# Altium PCB GN-1846-E-V2.PcbDoc (part 5 of 8) (continued)
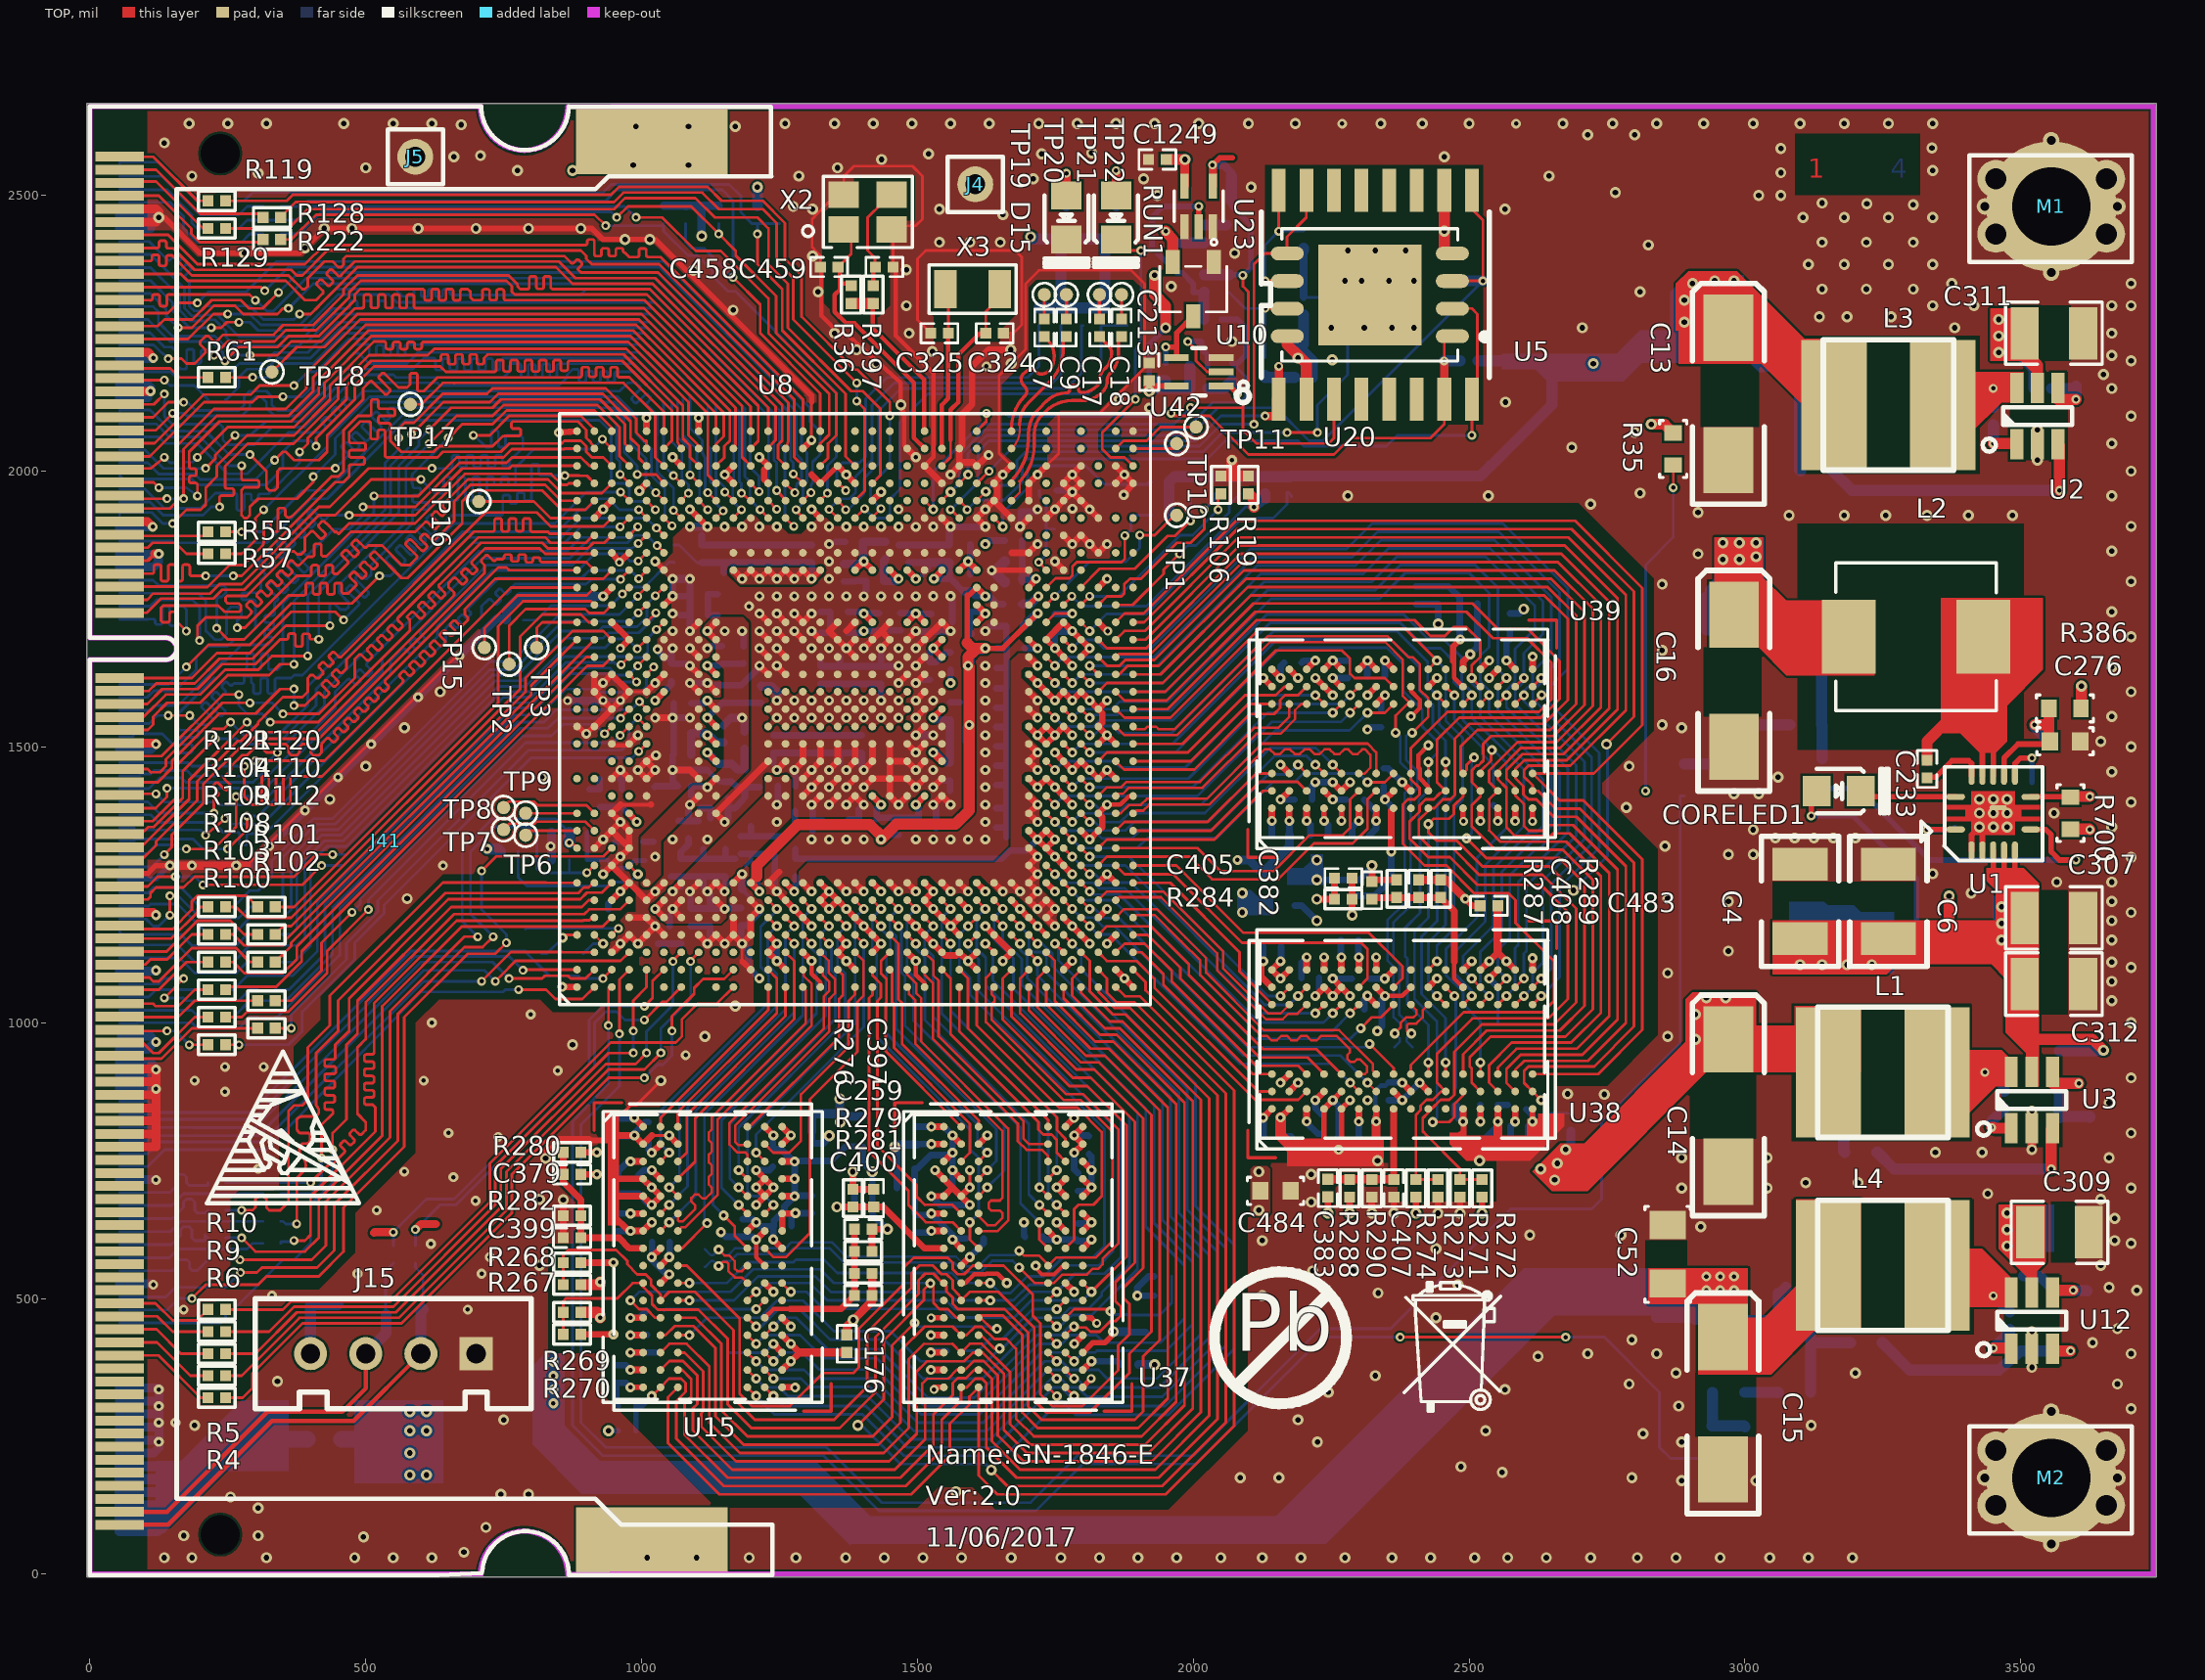
[diagram p0: TOP view]
## Nets (pads, with @x,y where several pads share a name; then routed paths per layer and width w, separated by ;. In a path a pad name is that pad's centre, name@x,y a point inside that pad or via, vN(x,y) a via of type N, cw(c..) or ccw(c..) an arc to the next point about the centre after c; other vN are vias at no path point) (continued)
  BOTTOM w5: 54,2014.88 105,2014.88 124.94,1994.94 189.94,1994.94 199.94,1984.94 299.94,1984.94 v3(335,2020)
G2_A1_656_5: U8.F32 | length 1454.2
  TOP w5: v3(410,2045) 410,2060 480,2130 480,2155 515,2190 635,2190 645,2180 732.75,2180 ccw(c732.75,2183.75) 736.5,2183.75 736.5,2197.83 cw(c740.25,2197.83) 740.25,2201.58 745.75,2201.58 cw(c745.75,2197.83) 749.5,2197.83 749.5,2184.35 ccw(c753.25,2184.35) 753.25,2180.6 758.75,2180.6 ccw(c758.75,2184.35) 762.5,2184.35 762.5,2197.83 cw(c766.25,2197.83) 766.25,2201.58 771.75,2201.58 cw(c771.75,2197.83) 775.5,2197.83 775.5,2184.35 ccw(c779.25,2184.35) 779.25,2180.6 784.75,2180.6 ccw(c784.75,2184.35) 788.5,2184.35 788.5,2197.83 cw(c792.25,2197.83) 792.25,2201.58 797.75,2201.58 cw(c797.75,2197.83) 801.5,2197.83 801.5,2184.35 ccw(c805.25,2184.35) 805.25,2180.6 810.75,2180.6 ccw(c810.75,2184.35) 814.5,2184.35 814.5,2197.83 cw(c818.25,2197.83) 818.25,2201.58 823.75,2201.58 cw(c823.75,2197.83) 827.5,2197.83 827.5,2184.35 ccw(c831.25,2184.35) 831.25,2180.6 836.75,2180.6 ccw(c836.75,2184.35) 840.5,2184.35 840.5,2197.83 cw(c844.25,2197.83) 844.25,2201.58 849.75,2201.58 cw(c849.75,2197.83) 853.5,2197.83 853.5,2185.85 ccw(c857.25,2185.85) 857.25,2182.1 862.75,2182.1 ccw(c862.75,2185.85) 866.5,2185.85 866.5,2197.83 868.67,2200 965,2200 1055,2110 1055,2055.5 U8.F32@1040.49,2040.99
  BOTTOM w5: 54,1991.26 55,1991.26 60.63,1985.63 184.37,1985.63 195,1975 320,1975 350,2005 350,2035 370,2055 400,2055 v3(410,2045)
G2_A1_656_6: U8.G32 | length 1451.8
  TOP w5: v3(380,2035) 395,2050 395,2060 465,2130 465,2155 510,2200 632.75,2200 ccw(c632.75,2203.75) 636.5,2203.75 636.5,2207.95 cw(c640.25,2207.95) 640.25,2211.7 645.75,2211.7 cw(c645.75,2207.95) 649.5,2207.95 649.5,2197.71 ccw(c653.25,2197.71) 653.25,2193.96 658.75,2193.96 ccw(c658.75,2197.71) 662.5,2197.71 662.5,2207.95 cw(c666.25,2207.95) 666.25,2211.7 671.75,2211.7 cw(c671.75,2207.95) 675.5,2207.95 675.5,2197.71 ccw(c679.25,2197.71) 679.25,2193.96 684.75,2193.96 ccw(c684.75,2197.71) 688.5,2197.71 688.5,2207.95 cw(c692.25,2207.95) 692.25,2211.7 697.75,2211.7 cw(c697.75,2207.95) 701.5,2207.95 701.5,2197.71 ccw(c705.25,2197.71) 705.25,2193.96 710.75,2193.96 ccw(c710.75,2197.71) 714.5,2197.71 714.5,2205 719.5,2210 ; 720,2210 719.5,2210 ; U8.G32@1071.99,2040.99 1065,2053.09 1065,2114.14 967.56,2211.58 721.08,2211.58 719.5,2210
  BOTTOM w5: 54,1967.64 100,1967.64 135,1932.64 200,1932.64 227.36,1960 262.75,1960 cw(c262.75,1956.25) 266.5,1956.25 266.5,1932.41 ccw(c270.25,1932.41) 270.25,1928.66 275.75,1928.66 ccw(c275.75,1932.41) 279.5,1932.41 279.5,1955.13 cw(c283.25,1955.13) 283.25,1958.88 288.75,1958.88 cw(c288.75,1955.13) 292.5,1955.13 292.5,1950.12 ccw(c296.25,1950.12) 296.25,1946.37 301.75,1946.37 ccw(c301.75,1950.12) 305.5,1950.12 305.5,1955.13 cw(c309.25,1955.13) 309.25,1958.88 323.88,1958.88 380,2015 v3(380,2035)
G2_A1_656_7: U8.H31 | length 1402.4
  TOP w5: v3(235,1935) 235,1951.75 cw(c238.75,1951.75) 238.75,1955.5 257.19,1955.5 ccw(c257.19,1959.25) 260.94,1959.25 260.94,1964.75 ccw(c257.19,1964.75) 257.19,1968.5 248.75,1968.5 cw(c248.75,1972.25) 245,1972.25 245,2008.73 285.77,2049.5 369.14,2049.5 450,2130.36 450,2154.14 505.86,2210 612.57,2210 624.27,2221.7 972.44,2221.7 1075,2119.14 1075,2058.96 1087.74,2046.22 1087.74,2025.24 U8.H31@1103.49,2009.49
  BOTTOM w5: 54,1944.02 109,1944.02 133.02,1920 205,1920 220,1935 v3(235,1935)
G2_A1_656_CLK: J41.56 U8.H32 | length 1422.8
  TOP w5: v3(150,1905) 175,1930 200.62,1930 210,1939.38 210,1970 230,1990 230,2010 245.12,2025.12 245.62,2025.12 285,2064.5 370,2064.5 435.5,2130 435.5,2155.5 515,2235 532.75,2235 cw(c532.75,2231.25) 536.5,2231.25 536.5,2224.91 ccw(c540.25,2224.91) 540.25,2221.16 545.75,2221.16 ccw(c545.75,2224.91) 549.5,2224.91 549.5,2230.48 cw(c553.25,2230.48) 553.25,2234.23 558.75,2234.23 cw(c558.75,2230.48) 562.5,2230.48 562.5,2224.91 ccw(c566.25,2224.91) 566.25,2221.16 571.75,2221.16 ccw(c571.75,2224.91) 575.5,2224.91 575.5,2230.48 cw(c579.25,2230.48) 579.25,2234.23 584.75,2234.23 cw(c584.75,2230.48) 588.5,2230.48 588.5,2224.91 ccw(c592.25,2224.91) 592.25,2221.16 597.75,2221.16 ccw(c597.75,2224.91) 601.5,2224.91 601.5,2230.46 cw(c605.25,2230.46) 605.25,2234.21 975.79,2234.21 1085,2125 1085,2065 1104.55,2045.45 1104.55,2042.05 U8.H32@1103.49,2040.99
  BOTTOM w5: J41.56@54,1920.39 54,1925 112,1925 132,1905 v3(150,1905)
G2_A1_I2C_CLK: R124.1 U8.D19 | length 1059.5
  TOP w5: U8.D19@977.5,1631.54 v3(991,1618)
  BOTTOM w5: R124.1@246,1060 260,1060 285,1085 367.5,1085 412.5,1130 412.5,1217.5 765,1570 765,1571 810,1571 872,1633 938,1633 953,1618 v3(991,1618)
G2_A1_I2C_SDA: R123.1 U8.E19 | length 1017.2
  TOP w5: U8.E19@1009,1631.54 1009,1632 v3(1022,1645)
  BOTTOM w5: R123.1@336,1060 361,1060 426,1125 426,1214 770,1558 815,1558 862,1605 916,1605 922,1599 998,1599 1009,1610 1009,1632 v3(1022,1645)
G2_A2_656_0: U8.G30 | length 1414.9
  TOP w5: 54,2121.18 116.18,2121.18 v3(135,2140) ; v3(1058,1992) U8.G30@1071.99,1978
  BOTTOM w5: v3(135,2140) 135,2100.5 135.5,2100 135.5,2098.99 149.49,2085 236,2085 241,2080 241,2056.89 250,2047.89 297.89,2047.89 330,2080 390,2080 470,2160 630,2160 635,2155 850,2155 865,2170 865,2174.67 875,2184.67 882.54,2184.67 cw(c882.54,2180.92) 886.29,2180.92 886.29,2165.64 ccw(c890.04,2165.64) 890.04,2161.89 895.54,2161.89 ccw(c895.54,2165.64) 899.29,2165.64 899.29,2177.43 cw(c903.04,2177.43) 903.04,2181.18 908.54,2181.18 cw(c908.54,2177.43) 912.29,2177.43 912.29,2165.64 ccw(c916.04,2165.64) 916.04,2161.89 921.54,2161.89 ccw(c921.54,2165.64) 925.29,2165.64 925.29,2177.43 cw(c929.04,2177.43) 929.04,2181.18 934.54,2181.18 cw(c934.54,2177.43) 938.29,2177.43 938.29,2165.64 ccw(c942.04,2165.64) 942.04,2161.89 947.54,2161.89 ccw(c947.54,2165.64) 951.29,2165.64 951.29,2176.51 cw(c955.04,2176.51) 955.04,2180.26 959.74,2180.26 960,2180 985,2180 1040,2125 1040,2010 v3(1058,1992)
G2_A2_656_1: U8.H29 | length 1424.5
  TOP w5: 54,2097.56 115,2097.56 142.44,2125 v3(170,2125) ; U8.H29@1103.49,1946.5 v3(1120,1930)
  BOTTOM w5: v3(170,2125) 176.97,2125 191.97,2110 270,2110 280,2120 280,2135 290,2145 320,2145 330,2135 330,2120 340,2110 375,2110 479,2214 487,2214 506,2195 575,2195 595,2215 995,2215 1075.07,2134.93 1075.07,2065.07 1100,2040.14 1100,2019.22 1105,2014.22 1105,1945 v3(1120,1930)
G2_A2_656_2: U8.H30 | length 1486.3
  TOP w5: 54,2073.94 118.94,2073.94 v3(150,2105) ; v3(1088,1993) 1088.49,1993 U8.H30@1103.49,1978
  BOTTOM w5: v3(150,2105) 170,2105 175,2100 275,2100 290,2115 290,2125 300,2135 310,2135 320,2125 320,2115 335,2100 380,2100 465,2185 585,2185 605,2205 622.75,2205 cw(c622.75,2201.25) 626.5,2201.25 626.5,2186.82 ccw(c630.25,2186.82) 630.25,2183.07 635.75,2183.07 ccw(c635.75,2186.82) 639.5,2186.82 639.5,2200.16 cw(c643.25,2200.16) 643.25,2203.91 648.75,2203.91 cw(c648.75,2200.16) 652.5,2200.16 652.5,2186.82 ccw(c656.25,2186.82) 656.25,2183.07 661.75,2183.07 ccw(c661.75,2186.82) 665.5,2186.82 665.5,2200.16 cw(c669.25,2200.16) 669.25,2203.91 674.75,2203.91 cw(c674.75,2200.16) 678.5,2200.16 678.5,2186.82 ccw(c682.25,2186.82) 682.25,2183.07 687.75,2183.07 ccw(c687.75,2186.82) 691.5,2186.82 691.5,2200.16 cw(c695.25,2200.16) 695.25,2203.91 700.75,2203.91 cw(c700.75,2200.16) 704.5,2200.16 704.5,2186.82 ccw(c708.25,2186.82) 708.25,2183.07 713.75,2183.07 ccw(c713.75,2186.82) 717.5,2186.82 717.5,2200.16 cw(c721.25,2200.16) 721.25,2203.91 726.75,2203.91 cw(c726.75,2200.16) 730.5,2200.16 730.5,2186.82 ccw(c734.25,2186.82) 734.25,2183.07 739.75,2183.07 ccw(c739.75,2186.82) 743.5,2186.82 743.5,2199.64 748.86,2205 990,2205 1065,2130 1065,2062.41 1088,2039.41 v3(1088,1993)
G2_A2_656_3: U8.J28 | length 1416.3
  TOP w5: 54,2050.32 117.66,2050.32 206.05,2138.71 291.29,2138.71 307.58,2155 v3(370,2155) ; U8.J28@1134.98,1915.01 v3(1148,1928)
  BOTTOM w5: v3(370,2155) 395,2180 410,2180 470,2240 1000,2240 1120.3,2119.7 1120.3,2045.3 1125,2040.59 1125,1980.7 1135,1970.7 1135,1941 v3(1148,1928)
G2_A2_656_4: U8.J29 | length 1467.9
  TOP w5: 54,2026.69 108.6,2026.69 206.9,2125 295,2125 305,2135 v3(350,2135) ; v3(1120,1961) 1120.48,1961 U8.J29@1134.98,1946.5
  BOTTOM w5: v3(350,2135) 385,2135 480,2230 502.75,2230 cw(c502.75,2226.25) 506.5,2226.25 506.5,2212.52 ccw(c510.25,2212.52) 510.25,2208.77 515.75,2208.77 ccw(c515.75,2212.52) 519.5,2212.52 519.5,2224.8 cw(c523.25,2224.8) 523.25,2228.55 528.75,2228.55 cw(c528.75,2224.8) 532.5,2224.8 532.5,2212.52 ccw(c536.25,2212.52) 536.25,2208.77 541.75,2208.77 ccw(c541.75,2212.52) 545.5,2212.52 545.5,2224.8 cw(c549.25,2224.8) 549.25,2228.55 554.75,2228.55 cw(c554.75,2224.8) 558.5,2224.8 558.5,2212.52 ccw(c562.25,2212.52) 562.25,2208.77 567.75,2208.77 ccw(c567.75,2212.52) 571.5,2212.52 571.5,2225.72 cw(c575.25,2225.72) 575.25,2229.47 995.53,2229.47 1087.99,2137.01 1087.99,2078.18 1110,2056.17 1110,2032.73 1115,2025 1115,1966 v3(1120,1961)
G2_A2_656_5: U8.J30 | length 1412.5
  TOP w5: 54,2003.07 55.93,2005 110,2005 v3(135,2025) ; v3(195,2025) 250,2080 370,2080 425,2135 425,2160 510,2245 980,2245 1010,2215 1010.12,2215.12 1120.24,2105 1120.24,1992.74 U8.J30@1134.98,1978
  BOTTOM w5: v3(135,2025) 145,2015 152.75,2015 ccw(c152.75,2018.75) 156.5,2018.75 156.5,2032.15 cw(c160.25,2032.15) 160.25,2035.9 165.75,2035.9 cw(c165.75,2032.15) 169.5,2032.15 169.5,2020.28 ccw(c173.25,2020.28) 173.25,2016.53 186.53,2016.53 v3(195,2025)
G2_A2_656_6: U8.J33 | length 1416.3
  TOP w5: 54,1979.45 115.55,1979.45 v3(125,1970) ; v3(195,1955) 195,1974.75 ccw(c191.25,1974.75) 191.25,1978.5 183.77,1978.5 cw(c183.77,1982.25) 180.02,1982.25 180.02,1987.75 cw(c183.77,1987.75) 183.77,1991.5 189.17,1991.5 ccw(c189.17,1995.25) 192.92,1995.25 192.92,2000.75 ccw(c189.17,2000.75) 189.17,2004.5 184.05,2004.5 cw(c184.05,2008.25) 180.3,2008.25 180.3,2015.7 180,2016 180,2035 235,2090 365,2090 415,2140 415,2165 505,2255 984.98,2255 1134.98,2105 U8.J33@1134.98,2072.49
  BOTTOM w5: v3(125,1970) 175,1970 v3(195,1955)
G2_A2_656_7: U8.J32 | length 1435.3
  TOP w5: 54,1955.83 90,1955.83 90,1950 v3(140,1950) ; v3(170,1950) 170,2040 230,2100 360,2100 405,2145 405,2170 500,2265 990,2265 1015,2240 1017.49,2237.5 1148.98,2106 1148.98,2063 1134.98,2049 U8.J32@1134.98,2040.99
  BOTTOM w5: v3(140,1950) v3(170,1950)
G2_A2_656_CLK: J41.55 U8.J31 | length 1502.2
  TOP w5: J41.55@54,1932.2 145,1932.2 155,1942.2 155,2042.91 224.82,2112.73 355,2112.73 392.27,2150 392.27,2177.27 490,2275 995,2275 1160,2110 1160,2055 1150,2045 1150,2024.51 U8.J31@1134.98,2009.49
G2_A2_I2C_CLK: R114.1 U8.E24 | length 1020.7
  TOP w5: v3(993,1773) 993.5,1773.5 993.5,1774.52 1008,1789.02 U8.E24@1009,1789.02
  BOTTOM w5: R114.1@246,1210 260,1210 289.5,1239.5 305,1239.5 330,1264.5 330,1294 406,1370 440,1370 725,1655 766,1655 851,1740 960,1740 v3(993,1773)
G2_A2_I2C_SDA: R126.1 U8.F24 | length 1124.2
  TOP w5: v3(1025,1774) 1040.02,1789.02 U8.F24@1040.49,1789.02
  BOTTOM w5: R126.1@246,1160 260,1160 290,1190 350,1190 365,1205 365,1300 415,1350 450,1350 730,1630 775,1630 855,1710 922,1710 930,1718 992,1718 1010,1736 1010,1759 v3(1025,1774)
G3_A1_656_0: U8.L30 | length 1562.7
  TOP w5: U8.L30@1197.97,1978 v3(1213,1963)
  BOTTOM w5: 54,2392.83 110,2392.83 171.5,2331.33 171.5,2295.27 185.27,2281.5 205.62,2281.5 207.62,2283.5 230.68,2283.5 270.18,2244 389,2244 440,2295 467.75,2295 ccw(c467.75,2298.75) 471.5,2298.75 471.5,2305.15 cw(c475.25,2305.15) 475.25,2308.9 480.75,2308.9 cw(c480.75,2305.15) 484.5,2305.15 484.5,2300.36 ccw(c488.25,2300.36) 488.25,2296.61 493.75,2296.61 ccw(c493.75,2300.36) 497.5,2300.36 497.5,2305.15 cw(c501.25,2305.15) 501.25,2308.9 506.75,2308.9 cw(c506.75,2305.15) 510.5,2305.15 510.5,2300.09 ccw(c514.25,2300.09) 514.25,2296.34 519.75,2296.34 ccw(c519.75,2300.09) 523.5,2300.09 523.5,2305.15 cw(c527.25,2305.15) 527.25,2308.9 532.75,2308.9 cw(c532.75,2305.15) 536.5,2305.15 536.5,2299.16 ccw(c540.25,2299.16) 540.25,2295.41 1019.59,2295.41 1197,2118 1197,2006.77 1213,1990.77 v3(1213,1963)
G3_A1_656_1: U8.M28 | length 1525.8
  TOP w5: v3(1215,1930) U8.M28@1229.47,1915.01
  BOTTOM w5: 54,2369.21 110,2369.21 162.5,2316.71 162.5,2291.54 181.54,2272.5 210.67,2272.5 212.67,2274.5 226.48,2274.5 247,2253.98 247,2243 263,2227 379,2227 386,2234 394,2234 445,2285 1015.56,2285 1187,2113.56 1187,1990.39 1193.69,1983.69 1193.69,1982.81 1196.5,1980 1196.5,1948.5 v3(1215,1930)
G3_A1_656_2: U8.M29 | length 1545.6
  TOP w5: v3(220,2260) 238.13,2260 248.13,2270 v3(270,2270) ; U8.M29@1229.47,1946.5 v3(1245,1931)
  BOTTOM w5: 54,2345.59 110,2345.59 150.45,2305.14 150.45,2290.45 180.91,2260 v3(220,2260) ; v3(270,2270) 290,2270 305,2255 385,2255 450,2320 542,2320 556,2306 1024,2306 1230,2100 1230,1946 v3(1245,1931)
G3_A1_656_3: U8.N28 | length 1611.5
  TOP w5: v3(160,2260) 185,2260 225,2300 263.19,2300 278.19,2285 340,2285 350,2295 v3(360,2295) ; U8.N28@1260.97,1915.01 v3(1276,1900)
  BOTTOM w5: 54,2321.97 110,2321.97 138.38,2293.59 138.38,2281.62 v3(160,2260) ; v3(360,2295) 405,2340 1020,2340 1250,2110 1250,2049.71 1260,2039.71 1260,1916 v3(1276,1900)
G3_A1_656_4: U8.L31 | length 1569.3
  TOP w5: v3(290,2210) 340,2210 365,2235 420,2235 480,2295 492.75,2295 ccw(c492.75,2298.75) 496.5,2298.75 496.5,2316.24 cw(c500.25,2316.24) 500.25,2319.99 505.75,2319.99 cw(c505.75,2316.24) 509.5,2316.24 509.5,2299.45 ccw(c513.25,2299.45) 513.25,2295.7 518.75,2295.7 ccw(c518.75,2299.45) 522.5,2299.45 522.5,2316.24 cw(c526.25,2316.24) 526.25,2319.99 531.75,2319.99 cw(c531.75,2316.24) 535.5,2316.24 535.5,2299.45 ccw(c539.25,2299.45) 539.25,2295.7 544.75,2295.7 ccw(c544.75,2299.45) 548.5,2299.45 548.5,2316.24 cw(c552.25,2316.24) 552.25,2319.99 557.75,2319.99 cw(c557.75,2316.24) 561.5,2316.24 561.5,2299.45 ccw(c565.25,2299.45) 565.25,2295.7 570.75,2295.7 ccw(c570.75,2299.45) 574.5,2299.45 574.5,2316.24 cw(c578.25,2316.24) 578.25,2319.99 583.75,2319.99 cw(c583.75,2316.24) 587.5,2316.24 587.5,2299.12 ccw(c591.25,2299.12) 591.25,2295.37 1004.63,2295.37 1181.58,2118.42 1181.58,2117.99 1182.22,2117.35 1182.22,2025.24 U8.L31@1197.97,2009.49
  BOTTOM w5: 54,2298.35 115,2298.35 124.15,2289.19 124.15,2270 149.15,2245 226.48,2245 261.48,2210 v3(290,2210)
G3_A1_656_5: U8.L33 | length 1547.7
  TOP w5: v3(245,2200) 270,2225 340,2225 360,2245 415,2245 480,2310 480,2320 490,2330 602.75,2330 cw(c602.75,2326.25) 606.5,2326.25 606.5,2313.44 ccw(c610.25,2313.44) 610.25,2309.69 615.75,2309.69 ccw(c615.75,2313.44) 619.5,2313.44 619.5,2326.38 cw(c623.25,2326.38) 623.25,2330.13 628.75,2330.13 cw(c628.75,2326.38) 632.5,2326.38 632.5,2313.44 ccw(c636.25,2313.44) 636.25,2309.69 641.75,2309.69 ccw(c641.75,2313.44) 645.5,2313.44 645.5,2326.38 cw(c649.25,2326.38) 649.25,2330.13 654.75,2330.13 cw(c654.75,2326.38) 658.5,2326.38 658.5,2313.44 ccw(c662.25,2313.44) 662.25,2309.69 667.75,2309.69 ccw(c667.75,2313.44) 671.5,2313.44 671.5,2326.38 cw(c675.25,2326.38) 675.25,2330.13 684.87,2330.13 690,2325 690,2315 695,2310 707.75,2310 ccw(c707.75,2313.75) 711.5,2313.75 711.5,2325.98 cw(c715.25,2325.98) 715.25,2329.73 720.75,2329.73 cw(c720.75,2325.98) 724.5,2325.98 724.5,2313.71 ccw(c728.25,2313.71) 728.25,2309.96 733.75,2309.96 ccw(c733.75,2313.71) 737.5,2313.71 737.5,2325.98 cw(c741.25,2325.98) 741.25,2329.73 746.75,2329.73 cw(c746.75,2325.98) 750.5,2325.98 750.5,2313.71 ccw(c754.25,2313.71) 754.25,2309.96 774.96,2309.96 775,2310 1005,2310 1197.97,2117.03 U8.L33@1197.97,2072.49
  BOTTOM w5: 54,2274.72 105.28,2274.72 145,2235 220.51,2235 240.51,2215 v3(245,2200)
G3_A1_656_6: U8.L32 | length 1523.7
  TOP w5: v3(225,2210) 250,2235 334.79,2235 355,2255.21 410.21,2255.21 470,2315 470,2324.14 490.86,2345 755,2345 765,2335 765,2325 770,2320 1010,2320 1211.47,2118.53 1211.47,2054.49 U8.L32@1197.97,2040.99
  BOTTOM w5: 54,2251.1 108.9,2251.1 135,2225 149,2225 159,2215 159,2191 165,2185 171.75,2185 ccw(c171.75,2188.75) 175.5,2188.75 175.5,2217.34 cw(c179.25,2217.34) 179.25,2221.09 184.75,2221.09 cw(c184.75,2217.34) 188.5,2217.34 188.5,2199.11 ccw(c192.25,2199.11) 192.25,2195.36 197.75,2195.36 ccw(c197.75,2199.11) 201.5,2199.11 201.5,2216.07 cw(c205.25,2216.07) 205.25,2219.82 215.18,2219.82 v3(225,2210)
G3_A1_656_7: U8.M33 | length 1520.9
  TOP w5: v3(142,2204) 166,2204 175,2195 190,2195 207.25,2212.25 207.25,2212.75 209.75,2215.25 209.75,2220.25 200,2230 200,2235 210,2245 215.25,2245 225,2235.25 229.75,2235.25 241.67,2247.18 332.83,2247.18 350.33,2264.67 404.68,2264.67 460,2320 460,2330 485,2355 759.14,2355 775,2339.14 775,2335 780,2330 792.75,2330 ccw(c792.75,2333.75) 796.5,2333.75 796.5,2349.44 cw(c800.25,2349.44) 800.25,2353.19 805.75,2353.19 cw(c805.75,2349.44) 809.5,2349.44 809.5,2334.11 ccw(c813.25,2334.11) 813.25,2330.36 818.75,2330.36 ccw(c818.75,2334.11) 822.5,2334.11 822.5,2349.44 cw(c826.25,2349.44) 826.25,2353.19 831.75,2353.19 cw(c831.75,2349.44) 835.5,2349.44 835.5,2333.85 ccw(c839.25,2333.85) 839.25,2330.1 869.9,2330.1 870,2330 1015,2330 1229.47,2115.53 U8.M33@1229.47,2072.49
  BOTTOM w5: 54,2227.48 54,2229.12 115.88,2229.12 131,2214 132,2214 v3(142,2204)
G3_A1_656_CLK: J41.14 U8.M32 | length 1573.1
  TOP w5: v3(380,2285) 400.51,2285 415,2299.49 415,2300 485,2370 845,2370 875,2340 1020,2340 1242.97,2117.03 1242.97,2056.39 1228.52,2041.94 U8.M32@1229.47,2040.99
  BOTTOM w5: J41.14@54,2416.46 107.21,2416.46 140.51,2383.16 ccw(c143.16,2385.81) 145.81,2383.16 154.54,2391.88 cw(c157.19,2389.23) 159.84,2391.88 163.73,2387.99 cw(c161.08,2385.34) 164.83,2385.34 cw(c161.08,2385.34) 163.73,2382.69 155.5,2374.46 ccw(c158.15,2371.81) 154.4,2371.81 ccw(c158.15,2371.81) 155.5,2369.16 159.39,2365.27 ccw(c162.04,2367.92) 164.69,2365.27 172.92,2373.5 cw(c175.57,2370.85) 178.22,2373.5 182.11,2369.61 cw(c179.46,2366.96) 183.21,2366.96 cw(c179.46,2366.96) 182.11,2364.31 173.06,2355.25 ccw(c175.71,2352.6) 171.96,2352.6 ccw(c175.71,2352.6) 173.05,2349.95 180.5,2342.5 180.5,2298.99 188.99,2290.5 201.48,2290.5 210.48,2299.5 289.88,2299.5 314.38,2275 370,2275 v3(380,2285)
G3_A1_I2C_CLK: R116.1 U8.E22 | length 1031.7
  TOP w5: U8.E22@1009,1726.03 v3(1026,1743)
  BOTTOM w5: R116.1@336,1160 365,1160 375,1170 375,1295 420,1340 455,1340 735,1620 783,1620 860,1697 930,1697 940,1707 995,1707 1026,1738 v3(1026,1743)
G3_A1_I2C_SDA: R115.1 U8.E23 | length 945.3
  TOP w5: v3(994,1743) 1008.53,1757.53 U8.E23@1009,1757.53
  BOTTOM w5: R115.1@336,1210 350,1224 350,1300 410,1360 445,1360 725,1640 769,1640 854,1725 ; 855,1725 854,1725 ; v3(994,1743) 979,1728 857,1728 854,1725
G3_A2_656_0: U8.N29 | length 1568.9
  TOP w5: 54,2239.29 177.9,2239.29 223.61,2285 v3(250,2285) ; v3(1245,1965) U8.N29@1260.97,1946.5
  BOTTOM w5: v3(250,2285) 289.69,2285 309.69,2265 380.68,2265 445.68,2330 553,2330 566,2317 583.75,2317 ccw(c583.75,2320.75) 587.5,2320.75 587.5,2326.27 cw(c591.25,2326.27) 591.25,2330.02 596.75,2330.02 cw(c596.75,2326.27) 600.5,2326.27 600.5,2319.87 ccw(c604.25,2319.87) 604.25,2316.12 609.75,2316.12 ccw(c609.75,2319.87) 613.5,2319.87 613.5,2326.27 cw(c617.25,2326.27) 617.25,2330.02 622.75,2330.02 cw(c622.75,2326.27) 626.5,2326.27 626.5,2319.87 ccw(c630.25,2319.87) 630.25,2316.12 635.75,2316.12 ccw(c635.75,2319.87) 639.5,2319.87 639.5,2326.27 cw(c643.25,2326.27) 643.25,2330.02 648.75,2330.02 cw(c648.75,2326.27) 652.5,2326.27 652.5,2323.28 ccw(c656.25,2323.28) 656.25,2319.53 889.53,2319.53 900,2330 1014.14,2330 1240,2104.14 1240,2020.64 1245,2015.64 v3(1245,1965)
G3_A2_656_1: U8.N30 | length 1562.2
  TOP w5: 54,2262.91 122.91,2262.91 135,2275 185.68,2275 220.68,2310 273.42,2310 288.42,2295 313,2295 v3(342,2324) ; U8.N30@1260.97,1978 v3(1278,1961)
  BOTTOM w5: v3(342,2324) 378,2360 1028.28,2360 1280,2108.28 1280,2030.92 1290,2020.92 1290,1985.07 1282.22,1977.29 v3(1278,1961)
G3_A2_656_2: U8.P29 | length 1588.6
  TOP w5: 54,2286.54 141.54,2286.54 160,2305 v3(195,2305) ; U8.P29@1292.46,1946.5 v3(1307,1961)
  BOTTOM w5: v3(195,2305) 215,2325 283,2325 338,2380 1040,2380 1305,2115 1305,2090 1323.5,2071.5 1323.5,2030 1310,2016.5 1310,1978.27 1307.23,1975.5 1307.23,1961 v3(1307,1961)
G3_A2_656_3: U8.P30 | length 1534.2
  TOP w5: 54,2310.16 109.39,2310.16 109.75,2309.8 ccw(c109.75,2313.55) 113.5,2313.55 113.5,2316.61 cw(c117.25,2316.61) 117.25,2320.36 122.75,2320.36 cw(c122.75,2316.61) 126.5,2316.61 126.5,2302.8 ccw(c130.25,2302.8) 130.25,2299.05 135.75,2299.05 ccw(c135.75,2302.8) 139.5,2302.8 139.5,2316.25 cw(c143.25,2316.25) 143.25,2320 289.49,2320 299.75,2309.75 v3(300,2310) ; v3(1275,1995) U8.P30@1292.46,1978
  BOTTOM w5: v3(300,2310) 301,2310 321,2290 332.5,2290 392.5,2350 1024.14,2350 1270,2104.14 1270,2020.64 1275,2015.64 v3(1275,1995)
G3_A2_656_4: U8.P28 | length 1577.7
  TOP w5: 54,2333.78 310.22,2333.78 v3(317,2327) ; v3(1280,1930) U8.P28@1292.46,1915.01
  BOTTOM w5: v3(317,2327) 360,2370 1032.43,2370 1290,2112.43 1290,2043.57 1300,2033.57 1300,1980.93 1292.5,1973.43 1292.5,1942.5 v3(1280,1930)
G3_A2_656_5: U8.N31 | length 1550.7
  TOP w5: 54,2357.4 165,2357.4 177.4,2345 355,2345 390,2310 410,2310 421.94,2321.94 ccw(c419.29,2324.6) 423.04,2324.6 ccw(c419.29,2324.6) 421.94,2327.25 412.17,2337.03 cw(c414.82,2339.68) 411.07,2339.68 cw(c414.82,2339.68) 412.16,2342.33 416.06,2346.22 cw(c418.71,2343.57) 421.36,2346.22 430.39,2337.18 ccw(c433.04,2339.84) 435.69,2337.18 439.58,2341.07 ccw(c436.93,2343.73) 440.68,2343.73 ccw(c436.93,2343.73) 439.58,2346.38 430.55,2355.41 cw(c433.2,2358.06) 429.45,2358.06 cw(c433.2,2358.06) 430.55,2360.71 434.44,2364.6 cw(c437.09,2361.95) 439.74,2364.6 449.91,2354.44 ccw(c452.56,2357.09) 455.21,2354.44 457.15,2356.39 456.39,2356.39 ; 455,2355 456.39,2356.39 ; U8.N31@1260.97,2009.49 1247.47,2022.99 1247.47,2047.94 1255,2055.47 1255,2120 1025,2350 880,2350 850,2380 480,2380 456.39,2356.39
G3_A2_656_6: U8.N32 | length 1542.8
  TOP w5: 54,2381.02 105.86,2381.02 106,2380.88 108.75,2380.88 ccw(c108.75,2384.63) 112.5,2384.63 112.5,2388.47 cw(c116.25,2388.47) 116.25,2392.22 121.75,2392.22 cw(c121.75,2388.47) 125.5,2388.47 125.5,2375.7 ccw(c129.25,2375.7) 129.25,2371.95 134.75,2371.95 ccw(c134.75,2375.7) 138.5,2375.7 138.5,2387.25 cw(c142.25,2387.25) 142.25,2391 149,2391 185,2355 360,2355 385,2330 390,2330 395,2335 395,2350 425,2380 440,2380 450,2370 455.86,2370 460,2374.14 460,2385 465,2390 860,2390 871.94,2378.06 ccw(c874.6,2380.71) 877.25,2378.06 881.48,2382.29 cw(c884.13,2379.64) 886.78,2382.29 890.67,2378.4 ; 890.68,2378.4 cw(c888.02,2375.75) 891.77,2375.75 cw(c888.02,2375.75) 890.67,2373.1 885.96,2368.38 ccw(c888.61,2365.73) 884.86,2365.73 890,2360.58 890,2360 1030,2360 1265.98,2124.02 1265.98,2054.72 1261.95,2040.71 U8.N32@1260.97,2040.99
G3_A2_656_7: U8.P31 | length 1524
  TOP w5: 54,2404.65 106.65,2404.65 121.75,2404.65 ccw(c121.75,2408.4) 125.5,2408.4 125.5,2413.99 cw(c129.25,2413.99) 129.25,2417.74 134.75,2417.74 cw(c134.75,2413.99) 138.5,2413.99 138.5,2407.75 ccw(c142.25,2407.75) 142.25,2404 151,2404 156,2399 156,2398.65 189.65,2365 365,2365 375,2355 385,2355 430,2400 890,2400 900,2390 900,2385 910,2375 1031.71,2375 1276.71,2130 1276.71,2025.24 U8.P31@1292.46,2009.49
G3_A2_656_CLK: J41.13 U8.P33 | length 1540.2
  TOP w5: J41.13@54,2428.27 141.73,2428.27 195,2375 390,2375 425,2410 897.75,2410 ccw(c897.75,2413.75) 901.5,2413.75 901.5,2416.25 cw(c905.25,2416.25) 905.25,2420 910.75,2420 cw(c910.75,2416.25) 914.5,2416.25 914.5,2393.55 ccw(c918.25,2393.55) 918.25,2389.8 923.75,2389.8 ccw(c923.75,2393.55) 927.5,2393.55 927.5,2400.43 cw(c931.25,2400.43) 931.25,2404.18 936.75,2404.18 cw(c936.75,2400.43) 940.5,2400.43 940.5,2393.55 ccw(c944.25,2393.55) 944.25,2389.8 949.75,2389.8 ccw(c949.75,2393.55) 953.5,2393.55 953.5,2400.43 cw(c957.25,2400.43) 957.25,2404.18 962.75,2404.18 cw(c962.75,2400.43) 966.5,2400.43 966.5,2399.59 ccw(c970.25,2399.59) 970.25,2395.84 978.09,2388 991.75,2388 ccw(c991.75,2391.75) 995.5,2391.75 995.5,2400.09 cw(c999.25,2400.09) 999.25,2403.84 1004.75,2403.84 cw(c1004.75,2400.09) 1008.5,2400.09 1008.5,2391.9 ccw(c1012.25,2391.9) 1012.25,2388.15 1034.31,2388.15 1292.46,2130 U8.P33@1292.46,2072.49
G3_A2_I2C_CLK: R113.1 U8.F22 | length 1063.8
  TOP w5: v3(1027,1713) 1040.03,1726.03 U8.F22@1040.49,1726.03
  BOTTOM w5: R113.1@336,1110 370,1110 400,1140 400,1290 430,1320 465,1320 745,1600 796,1600 860,1664 975,1664 977,1662 1001,1662 1011,1672 1011,1697 v3(1027,1713)
G3_A2_I2C_SDA: R111.1 U8.E21 | length 1102
  TOP w5: v3(992,1678) 1008.53,1694.53 U8.E21@1009,1694.53
  BOTTOM w5: R111.1@246,1110 260,1110 290,1140 375,1140 390,1155 390,1295 425,1330 460,1330 740,1610 790,1610 860,1680 934,1680 950,1696 974,1696 v3(992,1678)